# Altium PCB InsaneKeyboard.PcbDoc (part 1 of 4) (continued)
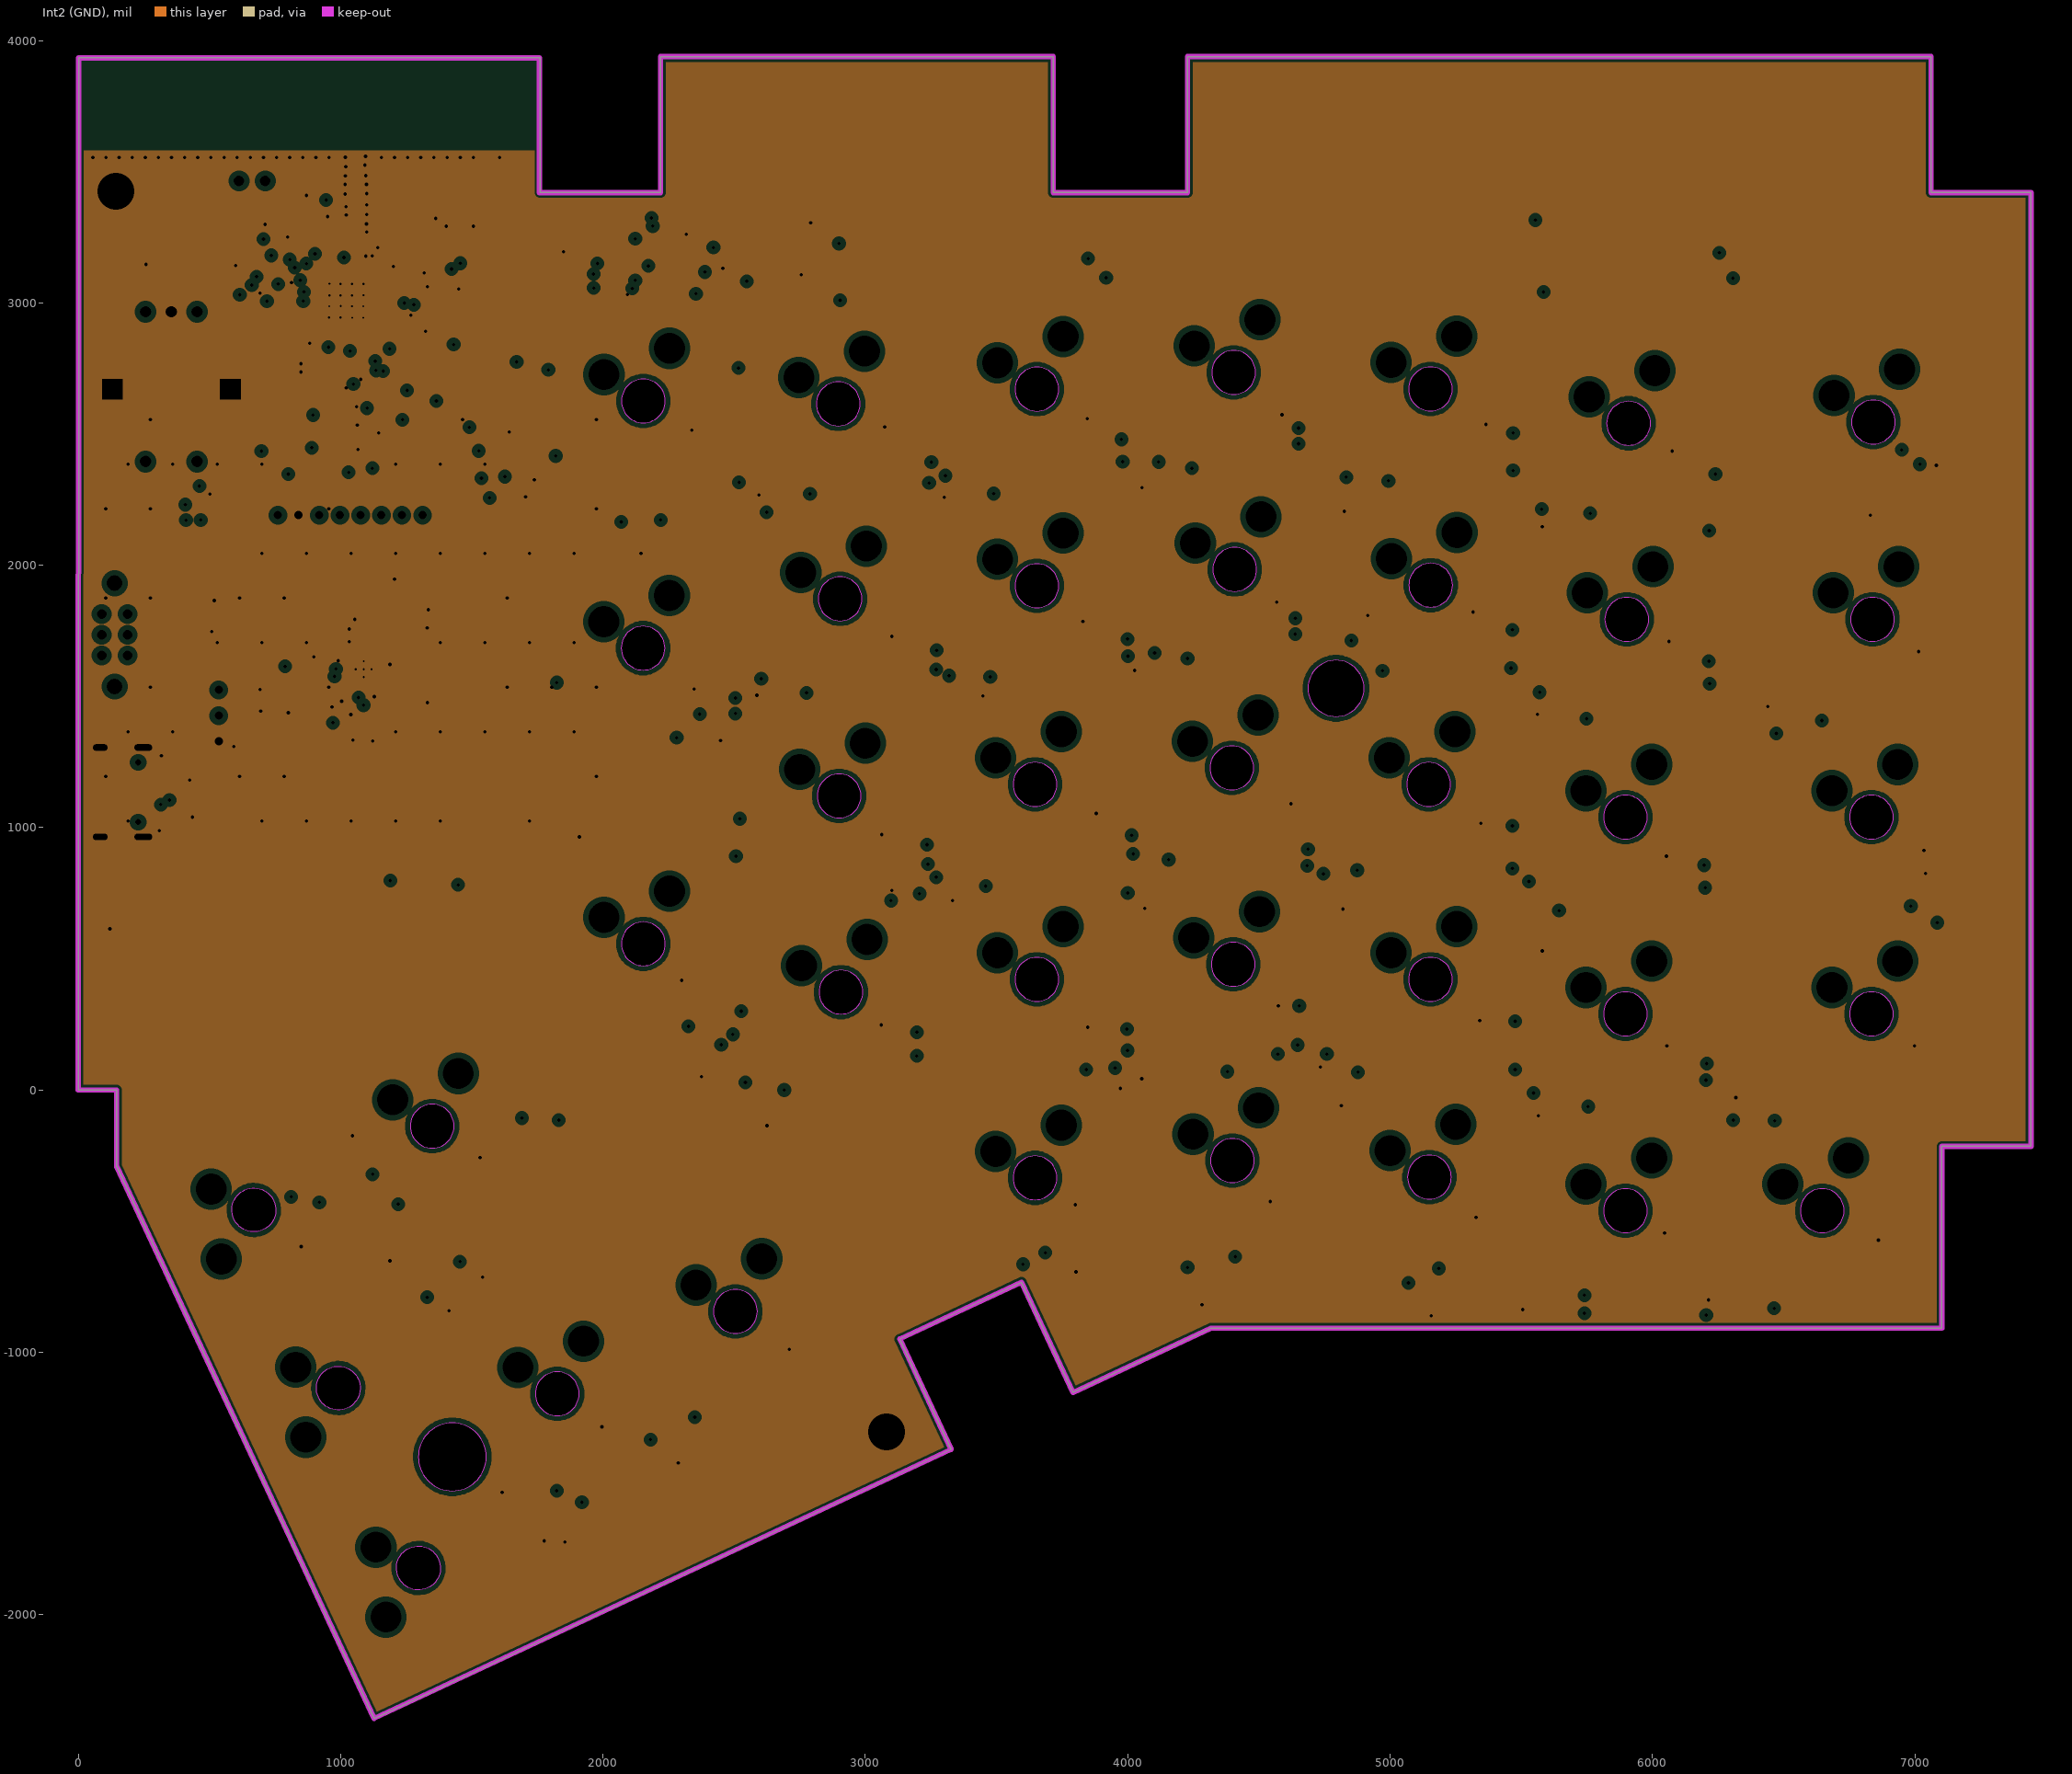
[diagram p3: Int2 (GND), clearances drawn from the general rule]
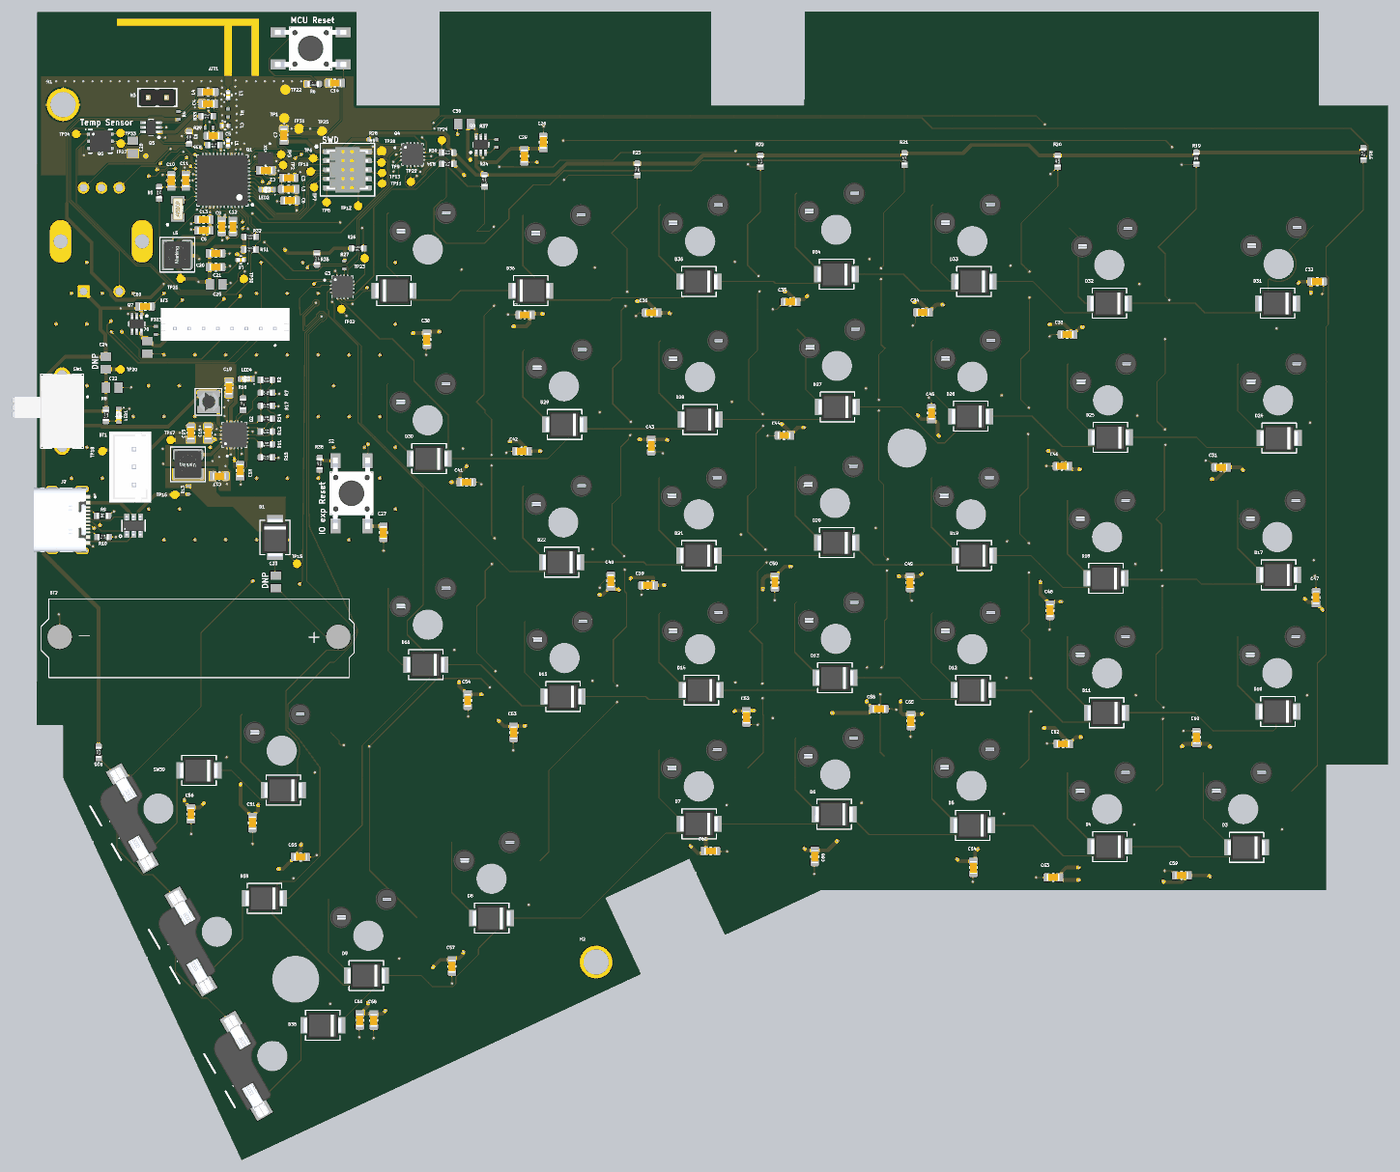
[diagram p7: 3D render of the assembled board from above, using the file's embedded part models]

## Layer stack, top to bottom
Top Solder: solder mask 0.8, SM-001, Dk 4
Top Layer: signal copper 1.4
Dielectric 1: prepreg 4, PP-017, Dk 4.3
Int1 (GND): plane copper 1.4, net GND
Dielectric 3: core 47, Core-039, Dk 4.8
Int2 (GND): plane copper 1.4, net GND
Dielectric 5: prepreg 4, PP-017, Dk 4.3
Bottom Layer: signal copper 1.4
Bottom Solder: solder mask 0.8, SM-001, Dk 4

## Board outline
479.2,-1003.43 795.33,-1681.38 1128.1,-2395 3327.42,-1369.44 3131.41,-949.1 3595.27,-732.8 3791.28,-1153.14 4317.45,-907.78 7103.08,-907.78 7103.08,-214.47 7442.84,-214.47 7442.84,3420.21 7062.33,3420.21 7062.33,3938.68 4227.68,3938.68 4227.68,3420.22 3715.87,3420.22 3715.87,3938.68 2219.81,3938.68 2219.81,3420.22 1760,3420.22 1760,3934.74 1.84,3934.75 0.01,-0.09 146.43,-0.09 146.43,-289.8
cut-out: 4686.83,1531 ccw(c4794,1531) 4794,1423.83 ccw(c4794,1531) 4901.17,1531 ccw(c4794,1531) 4794,1638.17 ccw(c4794,1531)
cut-out: 1296.37,-1398 ccw(c1426,-1398) 1426,-1527.63 ccw(c1426,-1398) 1555.63,-1398 ccw(c1426,-1398) 1426,-1268.37 ccw(c1426,-1398)

## Design rules (kind name [scope] priority, off if disabled: settings)
BoardOutlineClearance [All] p1: gap=9 ignorepadtopadclearanceinfootprint=FALSE
Clearance [All] p1: gap=4 ignorepadtopadclearanceinfootprint=FALSE
HoleSize [All] p1: absolutevalues=TRUE maxlimit=248 minlimit=1 maxpercent=80.000 minpercent=20.000
HoleToHoleClearance [All] p1: gap=7.87 allowstackedmicrovias=TRUE
MinimumSolderMaskSliver [All] p1: minsoldermaskwidth=1
PlaneClearance [All] p1: clearance=20
PlaneConnect [All] p1: planeconnectstyle=Direct reliefexpansion=20 reliefentries=4 reliefconductorwidth=10 reliefairgap=10
PolygonConnect vout [InNet('+3.3V') or InNet('VAEM')] p1: connectstyle=Direct reliefconductorwidth=10 reliefentries=4 polygonreliefangle="90 Angle" airgapwidth=10
PolygonConnect [All] p2: thpad.connectstyle=Relief thpad.reliefconductorwidth=10 thpad.reliefentries=4 thpad.polygonreliefangle="90 Angle" thpad.airgapwidth=10 smdpad.connectstyle=Direct smdpad.reliefconductorwidth=10 smdpad.reliefentries=4 smdpad.polygonreliefangle="90 Angle" smdpad.airgapwidth=10 via.connectstyle=Direct via.reliefconductorwidth=10 via.reliefentries=4 via.polygonreliefangle="90 Angle" via.airgapwidth=10
RoutingVias [All] p1: holewidth=13 width=21 viastyle="Through Hole" minholewidth=6 minwidth=10 maxholewidth=13 maxwidth=25
SilkToSilkClearance [All] p1: silktosilkclearance=4
SilkToSolderMaskClearance [IsPad] p1: minsilkscreentomaskgap=4 clearancetoexposedcopper=TRUE
SolderMaskExpansion [All] p1: expansion=4 istentingtop=FALSE
UnRoutedNet [All] p1: checkbadconnections=TRUE
Width "Schematic Width Constraint_10" [InNet('DISPLAY_LOAD_SW')] p1: maxlimit=20 minlimit=6 preferedwidth=20
Width "Schematic Width Constraint_9" [InNet('LED_PWR')] p2: maxlimit=20 minlimit=6 preferedwidth=20
Width "Schematic Width Constraint_8" [InNet('VBAT')] p3: maxlimit=20 minlimit=6 preferedwidth=20
Width "Schematic Width Constraint_7" [InNet('VDCDC')] p4: maxlimit=20 minlimit=6 preferedwidth=20
Width "Schematic Width Constraint_6" [InNet('NetC17_1')] p5: maxlimit=20 minlimit=6 preferedwidth=20
Width "Schematic Width Constraint_3" [InNet('VSTOR')] p6: maxlimit=20 minlimit=6 preferedwidth=20
Width "Schematic Width Constraint_2" [InNet('NetL8_2')] p7: maxlimit=20 minlimit=6 preferedwidth=20
Width "Schematic Width Constraint" [InNet('+3.3V')] p8: maxlimit=20 minlimit=6 preferedwidth=20
Width "Schematic Width Constraint_5" [InNet('USB_VCC')] p9: maxlimit=20 minlimit=6 preferedwidth=20
Width "Schematic Width Constraint_4" [InNet('VMCU')] p10: maxlimit=20 minlimit=6 preferedwidth=20
Width "Schematic Width Constraint_1" [InNet('VOUT')] p11: maxlimit=20 minlimit=6 preferedwidth=20
Width [All] p12: maxlimit=20 minlimit=6 preferedwidth=6
22 further rules are at their usual default settings.

## Classes and differential pairs
component class LIGHTS: C29 C30 C31 C32 C33 C34 C35 C36 C37 C38 C39 C40 C41 C42 C43 C44 C45 C46 C47 C48 C49 C50 C51 C52 C53 C54 C55 C56 C57 C58 C59 C60 C61 C62 C63 C64 C65 C66 C67 C68 LED LED5 LED6 LED7 LED8 LED9 LED10 LED11 LED12 LED13 LED14 LED15 LED16 LED17 LED18 LED19 LED20 LED21 LED22 LED23 LED24 LED25 LED26 LED27 LED28 LED29 LED30 LED31 LED32 LED33 LED34 LED35 LED36 LED37 LED38 LED39 LED40 LED41 Q8 R37
component class DISPLAY: BT3 C69 C70 Q7 R333
net class RADIO_PF[7..0]: RADIO_PF0 RADIO_PF1 RADIO_PF2 RADIO_PF3 RADIO_PF4 RADIO_PF5 RADIO_PF6 RADIO_PF7
net class RADIO_PB[15..11]: RADIO_PB11 RADIO_PB12 RADIO_PB13 RADIO_PB14 RADIO_PB15
net class IO_ROW_P[7..0]: IO_ROW_P0 IO_ROW_P1 IO_ROW_P2 IO_ROW_P3 IO_ROW_P4 IO_ROW_P5 IO_ROW_P6 IO_ROW_P7
net class IO_COL_P[7..0]: IO_COL_P0 IO_COL_P1 IO_COL_P2 IO_COL_P3 IO_COL_P4 IO_COL_P5 IO_COL_P6 IO_COL_P7
component class SWITCHES: D3 D4 D5 D6 D7 D8 D9 D10 D11 D12 D13 D14 D15 D16 D17 D18 D19 D20 D21 D22 D23 D24 D25 D26 D27 D28 D29 D30 D31 D32 D33 D34 D35 D36 D37 D38 D39 D40 H1 H2 R16 R19 R20 R21 R22 R23 R24 R25 SW2 SW3 SW4 SW5 SW6 SW7 SW8 SW9 SW10 SW11 SW12 SW13 SW14 SW15 SW16 SW17 SW18 SW19 SW20 SW21 SW22 SW24 SW25 SW26 SW27 SW28 SW29 SW30 SW31 SW32 SW33 SW34 SW35 SW36 SW37 SW38 SW39
component class RF_ANTENNA_POWER: ATT1 C1 C2 C3 C4 C5 C6 C7 C8 C9 C10 C11 C12 C13 L1 L2 L3 L4 L5 L6 Q1 R1 R4 R5 TP1 TP2 TP3 X1 X2
component class POWER: BT1 BT2 C15 C16 C17 C18 C19 C20 C21 C22 C23 C24 C25 D1 D2 J2 L7 L8 LED1 LED4 Q2 R2 R7 R8 R9 R10 R11 R12 R13 R14 R15 R17 R18 SW1 TP15 TP16 TP17 TP18 TP20 TP21 TP22
component class PERIPHERALS: C26 C27 C28 H3 LED2 MT1 Q3 Q4 Q5 Q6 R3 R26 R27 R28 R29 R30 R31 R32 R33 R34 R35 R36 R38 S2 TP23 TP24 TP25 TP27 TP28 TP29 TP30 TP31 TP32 TP33 TP34
component class EFR32_IO: C14 H9 R6 S1 TP6 TP7 TP8 TP9 TP10 TP11 TP12 TP13
net class RADIO_PD[15..10]: RADIO_PD10 RADIO_PD11 RADIO_PD12 RADIO_PD13 RADIO_PD14 RADIO_PD15
net class RADIO_PC[11..6]: RADIO_PC6 RADIO_PC7 RADIO_PC8 RADIO_PC9 RADIO_PC10 RADIO_PC11
net class RADIO_PA[5..0]: RADIO_PA0 RADIO_PA1 RADIO_PA2 RADIO_PA3 RADIO_PA4 RADIO_PA5

## Components (designator, comment, footprint, x,y, rotation, side; value= is the part's Value field where it differs from the comment)
ATT1 "F_Interverted" F_INVERTED 1054,3533 r90 top net-tie
BT1 "Battery 1000mAh" BATTERY 536,1427 r90 top
BT2 "Solar Panel" "SOLAR PANEL" 893,490 r180 top
BT3 "1.54inch Waveshare Eink Display" "1.54inch waveshare eink" 1032,2238 r0 top
C1 "CAP 1.5pF 50V 0402" "CAPACITOR 0402" 1036.67,3309.22 r180 top value=1.5pF
C2 "CAP 100pF 100V 0603" "CAPACITOR 0603" 1261,3062 r0 top value=100pF
C3 "CAP 100pF 100V 0603" "CAPACITOR 0603" 1388,3021 r0 top value=100pF
C4 "CAP 220nF 50V 0603" "CAPACITOR 0603" 944,3430 r180 top value=220nF
C5 "CAP 10pF 50V 0603" "CAPACITOR 0603" 971.76,3253 r180 top value=10pF
C6 "CAP 4.7uF 25V 0603" "CAPACITOR 0603" 1395,2896 r180 top value=4.7uF
C7 "CAP 10uF 10V 0603" "CAPACITOR 0603" 1361,3257 r90 top value=10uF
C8 "CAP 1uF 10V 0603" "CAPACITOR 0603" 920,2731 r180 top value=1uF
C9 "CAP 0.1uF 100V 0603" "CAPACITOR 0603" 1019,2753 r270 top value=10nF
C10 "CAP 10uF 10V 0603" "CAPACITOR 0603" 740,3005 r90 top value=10uF
C11 "CAP 10nF 100V 0603" "CAPACITOR 0603" 820,3005.55 r90 top value=10nF
C12 "CAP 1uF 10V 0603" "CAPACITOR 0603" 1080,2752 r270 top value=1uF
C13 "CAP 1uF 10V 0603" "CAPACITOR 0603" 920,2791 r180 top value=1uF
C14 "CAP 1uF 10V 0603" "Capacitor 0603" 1642,3544 r180 top value=1uF
C15 "CAP 4.7uF 25V 0603" "CAPACITOR 0603" 848,1614 r90 top value=4.7uF
C16 "CAP 10nF 100V 0603" "CAPACITOR 0603" 943,1614.55 r90 top value=10nF
C17 "CAP 4.7uF 25V 0603" "CAPACITOR 0603" 1004.9,1376.91 r0 top value=4.7uF
C18 "CAP 10nF 100V 0603" "CAPACITOR 0603" 1119.9,1406.91 r90 top value=10nF
C19 "22uF 10V X5R 0603" "CAPACITOR 0603" 1058,1863 r270 top value=22uF
C20 "CAP 0.1uF 100V 0603" "CAPACITOR 0603" 985,2605 r0 top value=10nF
C21 "CAP 0.1uF 100V 0603" "CAPACITOR 0603" 985,2529 r0 top value=10nF
C22 "CAP 47uF 10V 0805" "CAPACITOR 0805" 415.35,1865 r0 top value=47uF
C23 "CAP 47uF 10V 0805" "CAPACITOR 0805" 1316,794 r270 top value=47uF
C24 "CAP 47uF 10V 0805" "CAPACITOR 0805" 380,2000.35 r90 top value=47uF
C25 "CAP 47uF 10V 0805" "Capacitor 0805" 988,2435 r0 top value=47uF
C26 "CAP 1uF 10V 0603" "Capacitor 0603" 2790,3217 r90 top value=1uF
C27 "CAP 1uF 10V 0603" "Capacitor 0603" 1909,1066 r270 top value=1uF
C28 "CAP 47uF 10V 0805" "CAPACITOR 0805" 529,3190.35 r270 top value=47uF
C29 "CAP 1uF 10V 0603" "Capacitor 0603" 2686,3142 r270 top value=1uF
C30 "CAP 47uF 10V 0805" "CAPACITOR 0805" 2355,3317 r180 top value=47uF
C31 "CAP 1uF 10V 0603" "Capacitor 0603" 6525,1425 r180 top value=1uF
C32 "CAP 1uF 10V 0603" "Capacitor 0603" 7054,2449 r0 top value=1uF
C33 "CAP 1uF 10V 0603" "Capacitor 0603" 5677.32,2157.5 r180 top value=1uF
C34 "CAP 1uF 10V 0603" "Capacitor 0603" 4882,2280 r180 top value=1uF
C35 "CAP 1uF 10V 0603" "Capacitor 0603" 4151.76,2336.78 r180 top value=1uF
C36 "CAP 1uF 10V 0603" "Capacitor 0603" 3386.83,2277.48 r180 top value=1uF
C37 "CAP 1uF 10V 0603" "Capacitor 0603" 2690,2266 r180 top value=1uF
C38 "CAP 1uF 10V 0603" "Capacitor 0603" 2149,2130.55 r270 top value=1uF
C39 "CAP 1uF 10V 0603" "Capacitor 0603" 3367,774 r180 top value=1uF
C40 "CAP 1uF 10V 0603" "Capacitor 0603" 3162,797.45 r90 top value=1uF
C41 "CAP 1uF 10V 0603" "Capacitor 0603" 2366.55,1343 r0 top value=1uF
C42 "CAP 1uF 10V 0603" "Capacitor 0603" 2672,1514 r180 top value=1uF
C43 "CAP 1uF 10V 0603" "Capacitor 0603" 3385,1544.55 r270 top value=1uF
C44 "CAP 1uF 10V 0603" "Capacitor 0603" 4118,1601 r180 top value=1uF
C45 "CAP 1uF 10V 0603" "Capacitor 0603" 4929,1723 r90 top value=1uF
C46 "CAP 1uF 10V 0603" "Capacitor 0603" 5650,1431 r180 top value=1uF
C47 "CAP 1uF 10V 0603" "Capacitor 0603" 7048,706.45 r90 top value=1uF
C48 "CAP 1uF 10V 0603" "Capacitor 0603" 5582.51,636.78 r270 top value=1uF
C49 "CAP 1uF 10V 0603" "Capacitor 0603" 4811,789.55 r270 top value=1uF
C50 "CAP 1uF 10V 0603" "Capacitor 0603" 4066,791.55 r270 top value=1uF
C51 "CAP 1uF 10V 0603" "Capacitor 0603" 1187,-535 r270 top value=1uF
C52 "CAP 1uF 10V 0603" "Capacitor 0603" 3910,48 r270 top value=1uF
C53 "CAP 1uF 10V 0603" "Capacitor 0603" 2627,-37 r270 top value=1uF
C54 "CAP 1uF 10V 0603" "Capacitor 0603" 2373,140.45 r270 top value=1uF
C55 "CAP 1uF 10V 0603" "Capacitor 0603" 1452,-724 r0 top value=1uF
C56 "CAP 1uF 10V 0603" "Capacitor 0603" 848,-486 r270 top value=1uF
C57 "CAP 1uF 10V 0603" "Capacitor 0603" 2287,-1326 r270 top value=1uF
C58 "CAP 1uF 10V 0603" "Capacitor 0603" 4639.55,93 r0 top value=1uF
C59 "CAP 1uF 10V 0603" "Capacitor 0603" 6308,-825 r180 top value=1uF
C60 "CAP 1uF 10V 0603" "Capacitor 0603" 6389,-65 r90 top value=1uF
C61 "CAP 1uF 10V 0603" "Capacitor 0603" 1779,-1623 r270 top value=1uF
C62 "CAP 1uF 10V 0603" "Capacitor 0603" 5655,-100 r180 top value=1uF
C63 "CAP 1uF 10V 0603" "Capacitor 0603" 5600,-836 r180 top value=1uF
C64 "CAP 1uF 10V 0603" "Capacitor 0603" 5160,-781 r270 top value=1uF
C65 "CAP 1uF 10V 0603" "Capacitor 0603" 4816,28 r270 top value=1uF
C66 "CAP 1uF 10V 0603" "Capacitor 0603" 4286,-721 r270 top value=1uF
C67 "CAP 1uF 10V 0603" "Capacitor 0603" 3712,-691 r0 top value=1uF
C68 "CAP 1uF 10V 0603" "Capacitor 0603" 1856,-1624 r270 top value=1uF
C69 "CAP 1uF 10V 0603" "Capacitor 0603" 596,2312 r0 top value=1uF
C70 "CAP 47uF 10V 0805" "CAPACITOR 0805" 608,2086 r270 top value=47uF
D1 "Diode Schottky" "DIODE SCHOTTKY" 1312,1038 r270 top value=150pF
D2 "SRV05-4-P-T7" TVS 532.99,1103.16 r90 top value="TVS DIODE 5.5V 6TSOP"
D3 "Diode Schottky" "DIODE SCHOTTKY" 6665,-671 r180 top value=150pF
D4 "Diode Schottky" "DIODE SCHOTTKY" 5912,-666 r180 top value=150pF
D5 "Diode Schottky" "DIODE SCHOTTKY" 5156,-549 r180 top value=150pF
D6 "Diode Schottky" "DIODE SCHOTTKY" 4393,-488 r180 top value=150pF
D7 "Diode Schottky" "DIODE SCHOTTKY" 3649,-541 r180 top value=150pF
D8 "Diode Schottky" "DIODE SCHOTTKY" 2506,-1061 r180 top value=150pF
D9 "Diode Schottky" "DIODE SCHOTTKY" 1815,-1378 r180 top value=150pF
D10 "Diode Schottky" "DIODE SCHOTTKY" 6838,79 r180 top value=150pF
D11 "Diode Schottky" "DIODE SCHOTTKY" 5894.05,71.53 r180 top value=150pF
D12 "Diode Schottky" "DIODE SCHOTTKY" 5158.05,196.53 r180 top value=150pF
D13 "Diode Schottky" "DIODE SCHOTTKY" 4397.05,264.53 r180 top value=150pF
D14 "Diode Schottky" "DIODE SCHOTTKY" 3661.05,196.53 r180 top value=150pF
D15 "Diode Schottky" "DIODE SCHOTTKY" 2899,161 r180 top value=150pF
D16 "Diode Schottky" "DIODE SCHOTTKY" 2143,337 r180 top value=150pF
D17 "Diode Schottky" "DIODE SCHOTTKY" 6842,832 r180 top value=150pF
D18 "Diode Schottky" "DIODE SCHOTTKY" 5890.05,813.53 r180 top value=150pF
D19 "Diode Schottky" "DIODE SCHOTTKY" 5165.05,938.53 r180 top value=150pF
D20 "Diode Schottky" "DIODE SCHOTTKY" 4407.05,1009.53 r180 top value=150pF
D21 "Diode Schottky" "DIODE SCHOTTKY" 3648.05,938.53 r180 top value=150pF
D22 "Diode Schottky" "DIODE SCHOTTKY" 2891,902 r180 top value=150pF
D23 "Diode Schottky" "DIODE SCHOTTKY" 1358,-355 r180 top value=150pF
D24 "Diode Schottky" "DIODE SCHOTTKY" 6845.05,1586.53 r180 top value=150pF
D25 "Diode Schottky" "DIODE SCHOTTKY" 5915.05,1590.53 r180 top value=150pF
D26 "Diode Schottky" "DIODE SCHOTTKY" 5145.05,1706.53 r180 top value=150pF
D27 "Diode Schottky" "DIODE SCHOTTKY" 4411,1758 r180 top value=150pF
D28 "Diode Schottky" "DIODE SCHOTTKY" 3654.05,1688.53 r180 top value=150pF
D29 "Diode Schottky" "DIODE SCHOTTKY" 2908,1661 r180 top value=150pF
D30 "Diode Schottky" "DIODE SCHOTTKY" 2161,1473 r180 top value=150pF
D31 "Diode Schottky" "DIODE SCHOTTKY" 6836.05,2329.53 r180 top value=150pF
D32 "Diode Schottky" "DIODE SCHOTTKY" 5909.05,2329.53 r180 top value=150pF
D33 "Diode Schottky" "DIODE SCHOTTKY" 5163.05,2449.53 r180 top value=150pF
D34 "Diode Schottky" "DIODE SCHOTTKY" 4406.05,2490.53 r180 top value=150pF
D35 "Diode Schottky" "DIODE SCHOTTKY" 3648.05,2449.53 r180 top value=150pF
D36 "Diode Schottky" "DIODE SCHOTTKY" 2721,2399 r0 top value=150pF
D37 "Diode Schottky" "DIODE SCHOTTKY" 1967,2399 r0 top value=150pF
D38 "Diode Schottky" "DIODE SCHOTTKY" 1575,-1652 r180 top value=150pF
D39 "Diode Schottky" "DIODE SCHOTTKY" 1254,-952 r180 top value=150pF
D40 "Diode Schottky" "DIODE SCHOTTKY" 893,-246 r180 top value=150pF
H1 "#4 Hole" Hole 144,3425 r0 top
H2 "#4 Hole" HOLE 3081,-1303 r0 top
H3 "0.1\" M Header" 2-PIN_MALE_HEADER_01-IN 663,3465 r180 top
H9 "Mini SWD" "MINI SIMPLICITY CONNECTOR" 1711,3066 r270 top
J2 "Female USB Type C" "TYPE C" 83.99,1135.16 r270 top
L1 "1.9nH" "FERRITE 0402" 1053,3213 r90 top
L2 "1.9nH" "FERRITE 0402" 1053.32,3478.25 r90 top
L3 "Ferrite Bead 600(601) 1LN" "FERRITE 0603" 1388,2959 r180 top
L4 "Ferrite Bead 600(601) 1LN" "FERRITE 0603" 942,3495 r0 top
L5 "IND 4.7uH 1515" "IND 22UH (1.6X4.3)" 721,2597 r0 top
L6 "Farrite Bead 102(1k)" "FERRITE 0402" 1123,2569 r180 top
L7 "IND 10uH 1111" "IND 10UH (1X3.2)" 945,1742.39 r90 top
L8 "IND 22uH 1515" "IND 22UH (1.6X4.3)" 833,1389 r90 top
LED "WS2812B" WS2812B 6670,-767 r180 bottom
LED1 "GRN 0603" "LED 0603" 455,1710 r270 top
LED2 "GRN 0603" "LED 0603" 1267,2952 r180 top
LED4 "GRN 0603" "LED 0603" 1152,1908 r180 top
LED5 "WS2812B" WS2812B 5906,-767 r180 bottom
LED6 "WS2812B" WS2812B 5161,-596 r180 bottom
LED7 "WS2812B" WS2812B 4379,-528 r180 bottom
LED8 "WS2812B" WS2812B 3654,-565 r180 bottom
LED9 "WS2812B" WS2812B 2509,-1174 r180 bottom
LED10 "WS2812B" WS2812B 1847,-1424 r180 bottom
LED11 "WS2812B" WS2812B 1586,-1714 r180 bottom
LED12 "WS2812B" WS2812B 6840,-48 r180 bottom
LED13 "WS2812B" WS2812B 5895,-50 r180 bottom
LED14 "WS2812B" WS2812B 5162,78 r180 bottom
LED15 "WS2812B" WS2812B 4394,135 r180 bottom
LED16 "WS2812B" WS2812B 3668,81 r180 bottom
LED17 "WS2812B" WS2812B 2869,47 r180 bottom
LED18 "WS2812B" WS2812B 2146,226 r180 bottom
LED19 "WS2812B" WS2812B 1277,-991 r180 bottom
LED20 "WS2812B" WS2812B 6843,712 r180 bottom
LED21 "WS2812B" WS2812B 5883,712 r180 bottom
LED22 "WS2812B" WS2812B 5151,835 r180 bottom
LED23 "WS2812B" WS2812B 4397,913 r180 bottom
LED24 "WS2812B" WS2812B 3642.54,840.96 r180 bottom
LED25 "WS2812B" WS2812B 2888,797 r180 bottom
LED26 "WS2812B" WS2812B 1386,-372 r180 bottom
LED27 "WS2812B" WS2812B 930.2,-290.24 r180 bottom
LED28 "WS2812B" WS2812B 6843,1472 r180 bottom
LED29 "WS2812B" WS2812B 5917,1459 r180 bottom
LED30 "WS2812B" WS2812B 5162,1583 r180 bottom
LED31 "WS2812B" WS2812B 4420,1755 r180 bottom
LED32 "WS2812B" WS2812B 3670,1691 r180 bottom
LED33 "WS2812B" WS2812B 2910,1643 r180 bottom
LED34 "WS2812B" WS2812B 2155,1354 r180 bottom
LED35 "WS2812B" WS2812B 6843,2208 r0 bottom
LED36 "WS2812B" WS2812B 5918,2221 r180 bottom
LED37 "WS2812B" WS2812B 5168,2344 r180 bottom
LED38 "WS2812B" WS2812B 4394,2387 r180 bottom
LED39 "WS2812B" WS2812B 3646,2319 r180 bottom
LED40 "WS2812B" WS2812B 2904,2283 r180 bottom
LED41 "WS2812B" WS2812B 2157,2308 r180 bottom
MT1 "Rotery Encoder" "Rotery Encoder" 355,2671 r0 bottom
Q1 "EFR32BG13P632F512GM32-DR" EFR32BG 1022.76,3007.1 r180 top
Q2 "BQ25570RGRR" BQ25570RGRR 1088,1604 r90 top
Q3 "TCA6408ARGTR" "TCA6408ARGTR - IO EXPANDER" 1683,2420 r0 top
Q4 "TCA6408ARGTR" "TCA6408ARGTR - IO EXPANDER" 2070,3150 r0 top
Q5 "TPS22919" "TPS22919DCKR - LOAD SW" 629,3300 r180 top
Q6 "SI7021-A20-GM1R" "SI7021-A20 - TEMP" 350,3223 r0 top
Q7 "TPS22919" "TPS22919DCKR - Load SW" 550,2216 r270 top
Q8 "TPS22919" "TPS22919DCKR - Load SW" 2446,3204 r90 top
R1 "RES 0R 0402" "RESISTOR 0402" 1053,3379 r90 top value=0R
R2 "RES 8.2M 0603" "RESISTOR 0603" 1264.9,1906.91 r0 top value=8.2MR
R3 "RES 330K 0603" "Resistor 0603" 838,3243 r90 top value=330kR
R4 "RES 0R 0402" "RESISTOR 0402" 779,3365 r90 top value=0R
R5 "RES 1R 0603" "RESISTOR 0603" 674,2939 r90 top value=1R
R6 "RES 100R 0603" "RESISTOR 0603" 1522,3539 r0 top value=100R
R7 "RES 4.75M 0603" "RESISTOR 0603" 1264.9,1835.74 r180 top value=4.75MR
R8 "RES 100R 0603" "RESISTOR 0603" 380,1711.5 r270 top value=100R
R9 "RES 5.1K 0603" "RESISTOR 0603" 360.99,1158.16 r0 top value=5.1kR
R10 "RES 5.1K 0603" "RESISTOR 0603" 364.99,1041.16 r0 top value=5.1kR
R11 "RES 7.32M 0603" "RESISTOR 0603" 1264.9,1551.08 r0 top value=7.32MR
R12 "RES 1.24M 0603" "RESISTOR 0603" 1264.9,1622.25 r0 top value=1.24MR
R13 "RES 0R 0402" "RESISTOR 0402" 834.86,1299.12 r270 top value=0R
R14 "RES 6.65M 0603" "RESISTOR 0603" 1264.9,1693.41 r0 top value=6.65MR
R15 "RES 5.62M 0603" "RESISTOR 0603" 1264.9,1479.91 r180 top value=5.6MR
R16 "RES 10K 0603" "Resistor 0603" 7309,3154 r90 top value=10kR
R17 "RES 4.99M 0603" "RESISTOR 0603" 1264.9,1764.58 r180 top value=4.99MR
R18 "RES 100R 0603" "RESISTOR 0603" 1135,1774 r90 top value=100R
R19 "RES 10K 0603" "Resistor 0603" 6388,3129 r90 top value=10kR
R20 "RES 10K 0603" "RESISTOR 0603" 5625,3113 r90 top value=10kR
R21 "RES 10K 0603" "RESISTOR 0603" 4780,3125 r90 top value=10kR
R22 "RES 10K 0603" "RESISTOR 0603" 3986,3113 r90 top value=10kR
R23 "RES 10K 0603" "RESISTOR 0603" 3308,3068 r90 top value=10kR
R24 "RES 10K 0603" "RESISTOR 0603" 2466,3006 r90 top value=10kR
R25 "RES 10K 0603" "RESISTOR 0603" 340,-146.5 r90 top value=10kR
R26 "RES 10K 0603" "RESISTOR 0603" 1767,2633 r180 top value=10kR
R27 "RES 0R 0402" "RESISTOR 0402" 1694,2541.65 r270 top value=0R